# KiCad board Wrap030-ITX.kicad_pcb (continued)
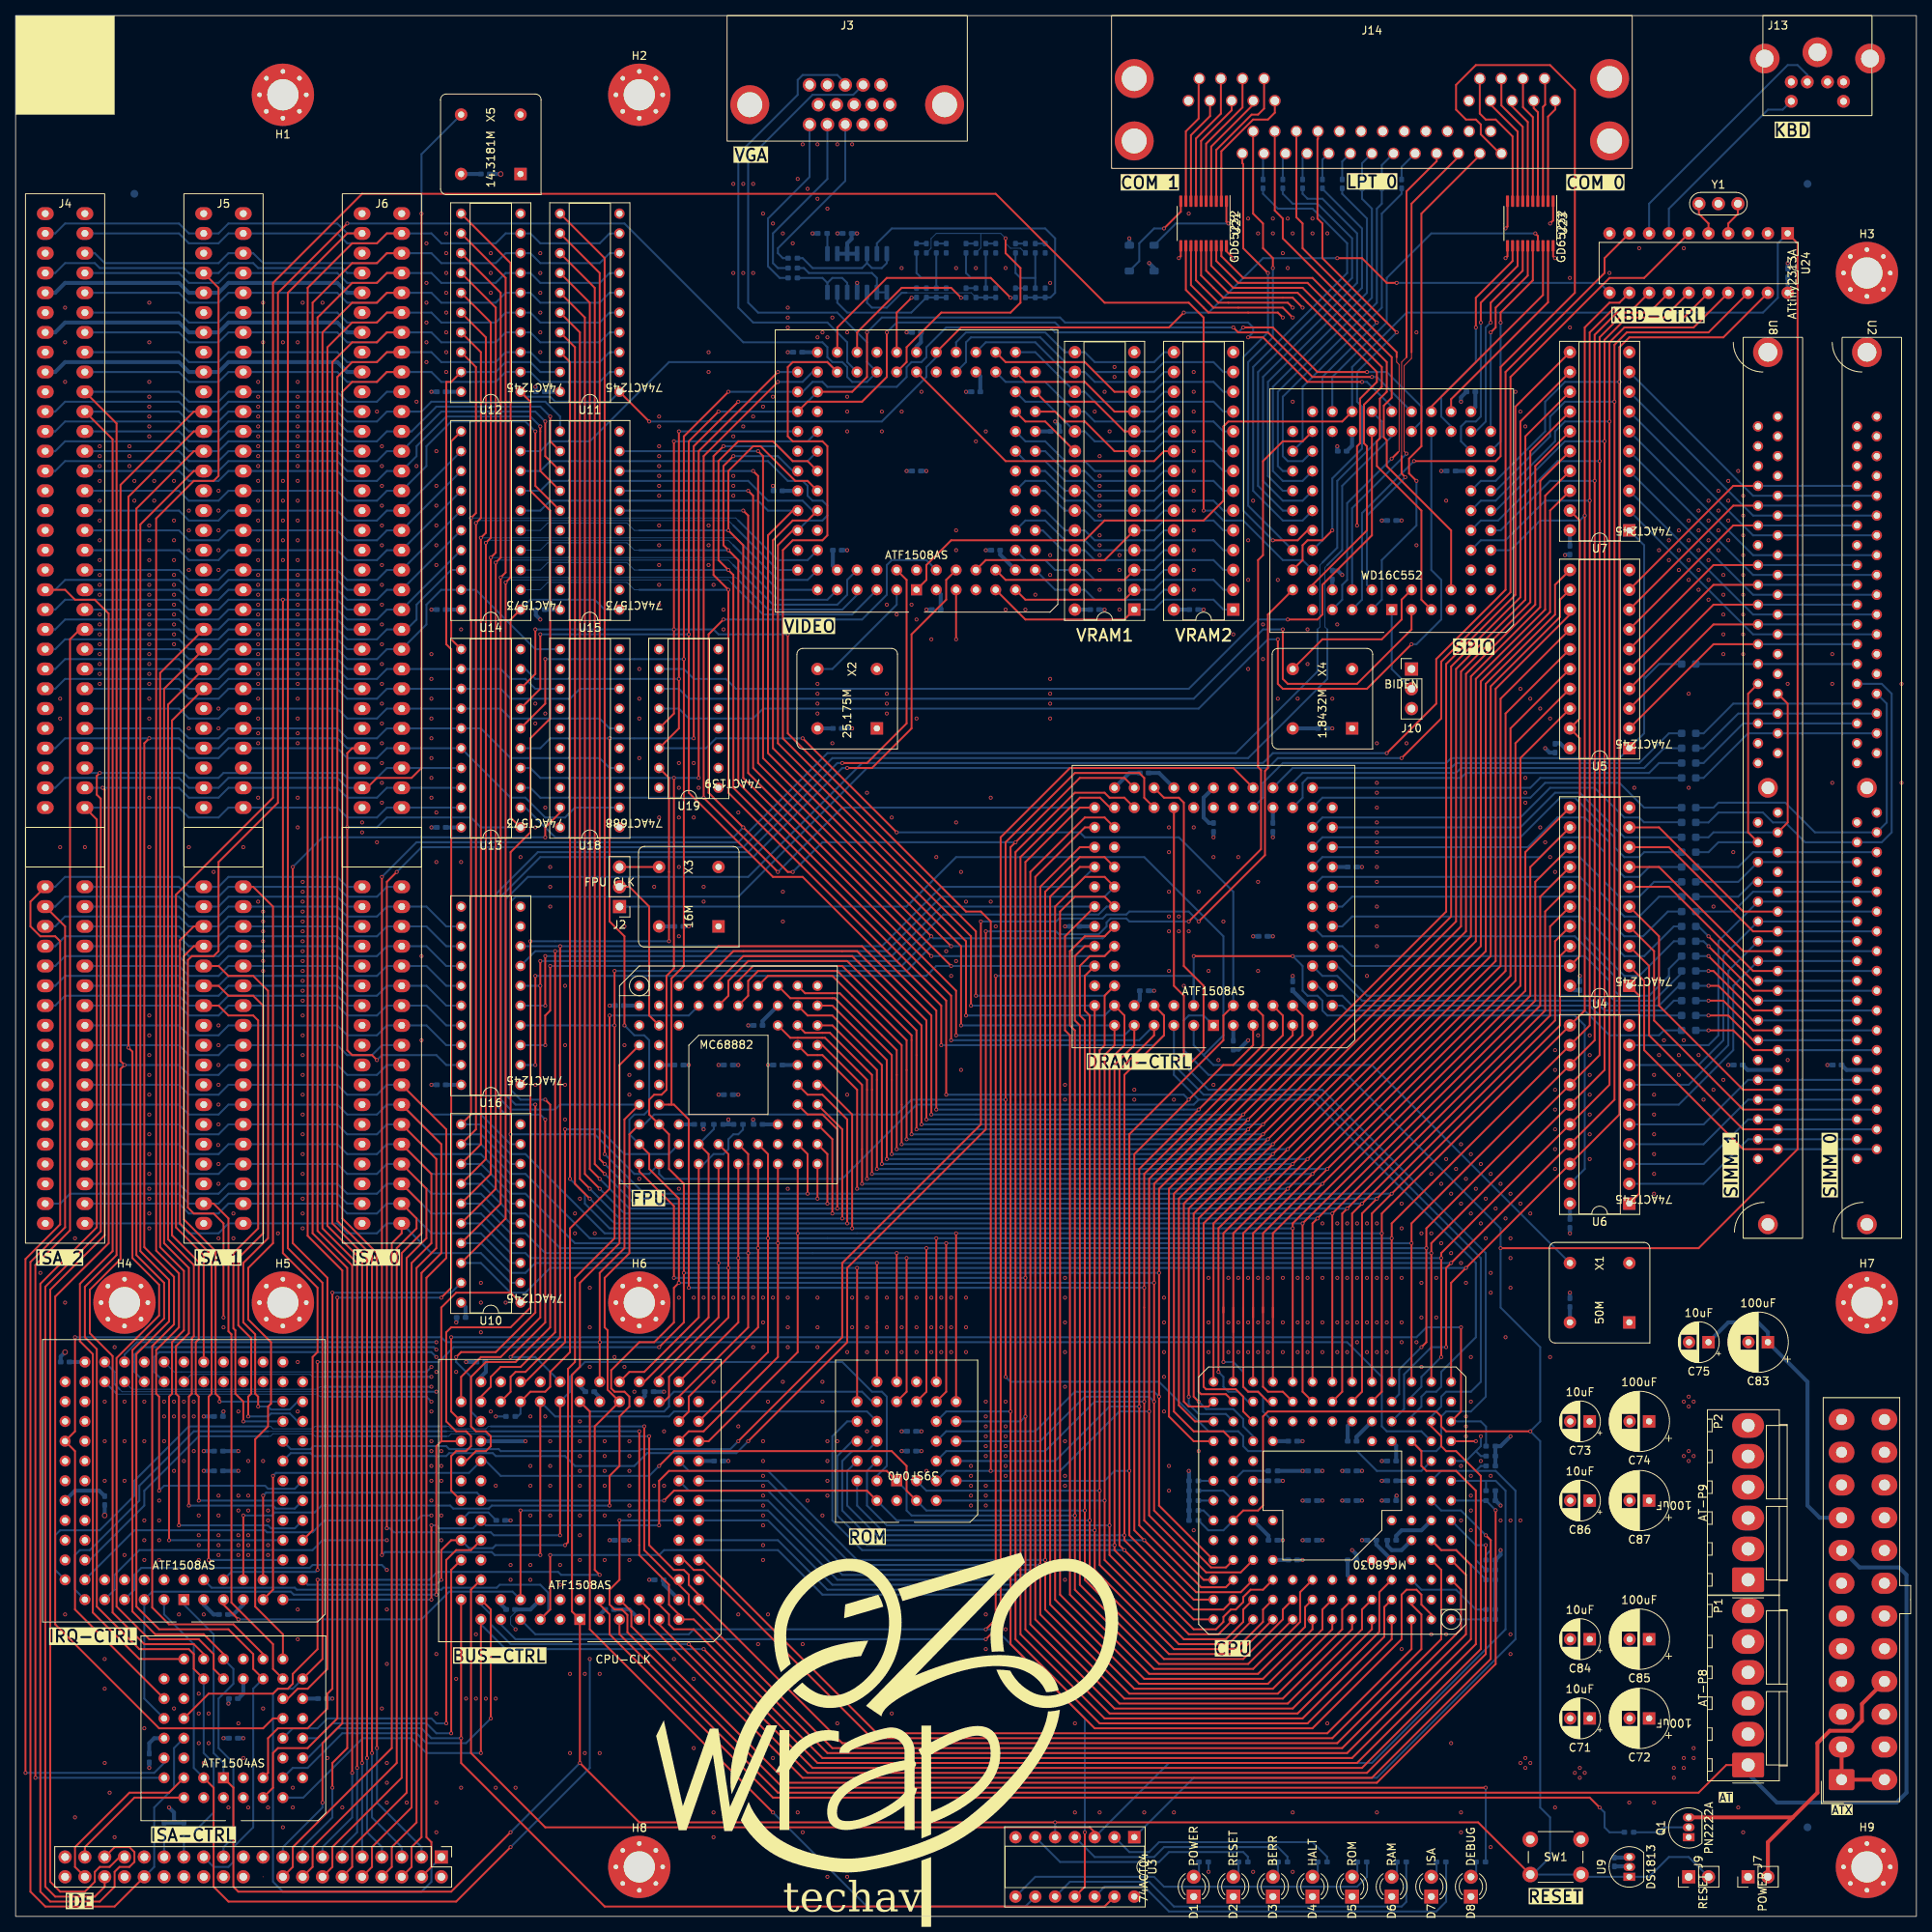
[diagram p0: board, top side]
## Routing (per net, layer and track width the routed paths; a pad name or vN(x,y) marks a point on that pad's centre or on a via; arc(x,y) is an arc through that point) (continued)
/Serial-Parallel-IO/~{COM0-DSR}: length 27.2
  Top w0.254: U23.18 195.94,208 181.61,193.68 U20.31
/Serial-Parallel-IO/~{COM0-DTR}: length 30.6
  Top w0.254: v1(187.96,204.47) 187.96,207.01 192.69,211.74 U23.13
  Bottom w0.254: v1(187.96,204.47) 187.96,192.41 187.32,191.77 186.05,191.77 185.42,191.13 185.42,189.23 U20.25
/Serial-Parallel-IO/~{COM0-RI}: length 28.1
  Top w0.254: v1(187.32,203.84) 187.32,207.65 192.03,212.36 U23.12
  Bottom w0.254: v1(187.32,203.84) 187.32,199.39 182.88,194.94 182.88,192.41 184.15,191.13 U20.30
/Serial-Parallel-IO/~{COM0-RTS}: length 28.6
  Top w0.254: v1(190.5,204.47) 190.5,205.74 194.63,209.88 U23.16
  Bottom w0.254: v1(190.5,204.47) 190.5,189.23 U20.24
/Serial-Parallel-IO/~{COM1-CTS}: length 70.4
  Top w0.254: v1(163.83,206.38) 163.19,207.01 154.3,207.01 151.42,209.89 U21.14
  In1.Cu w0.254: U20.13 186.05,172.72 184.78,173.99 173.99,173.99 170.81,177.17 170.81,189.23 170.43,189.61 170.43,193.8 170.81,194.18 170.81,201.93 165.73,207.01 164.47,207.01 v1(163.83,206.38)
/Serial-Parallel-IO/~{COM1-DCD}: length 62.4
  Top w0.254: U20.8 184.15,177.8 175.89,186.06 175.89,189.36 175.51,189.74 175.51,193.8 176.53,194.82 176.53,200.03 166.37,210.19 157.48,210.19 154.67,212.99 154.67,214.31
/Serial-Parallel-IO/~{COM1-DSR}: length 64.4
  Top w0.254: U21.18 154.03,212.37 156.84,209.55 165.73,209.55 175.89,199.39 175.89,195.58 175.01,194.69 175.01,189.61 174.62,189.23 174.62,186.06 180.34,180.34 180.34,168.91 U20.5
/Serial-Parallel-IO/~{COM1-DTR}: length 71.2
  Top w0.254: U21.13 150.78,209.27 153.67,206.38 162.56,206.38 v1(163.83,205.11)
  In1.Cu w0.254: U20.11 186.05,170.18 183.51,172.72 172.72,172.72 169.54,175.9 169.54,187.32 167.89,188.98 167.89,193.8 168.28,194.18 168.28,200.66 v1(163.83,205.11)
/Serial-Parallel-IO/~{COM1-RI}: length 66.8
  Top w0.254: U21.12 150.12,208.65 153.03,205.74 161.92,205.74 v1(162.56,205.11)
  In1.Cu w0.254: U20.6 179.7,172.09 172.08,172.09 168.28,175.9 168.28,187.32 167.39,188.21 167.39,193.8 167,194.18 167,200.66 v1(162.56,205.11)
/Serial-Parallel-IO/~{COM1-RTS}: length 71.5
  Top w0.254: U21.16 152.72,211.13 155.57,208.28 164.47,208.28 174.62,198.12 174.62,196.85 172.47,194.69 172.47,188.98 172.08,188.6 v1(172.08,178.44)
  In1.Cu w0.254: v1(172.08,178.44) 172.08,177.17 174.62,174.62 185.42,174.62 186.05,173.99 187.96,173.99 U20.12
/Serial-Parallel-IO/~{PAR-ACK}: length 60.3
  Top w0.127: 177.8,187.32 177.8,199.39 178.44,200.03
  Top w0.254: v1(178.28,184.63) 177.8,185.1 177.8,187.32 ; J14.C10 182.3,225.16 178.44,221.3 178.44,200.03
  Bottom w0.254: v1(178.28,184.63) 173.35,179.71 173.35,170.81 U20.68
/Serial-Parallel-IO/~{PAR-AFD}: length 58.5
  Top w0.254: v1(161.29,211.46) 161.29,212.73 160.02,214 160.02,217.17 158.75,218.44 158.75,228.99 J14.C14
  Bottom w0.254: U20.56 158.11,180.98 158.11,199.39 161.29,202.56 v1(161.29,211.46)
/Serial-Parallel-IO/~{PAR-ERR}: length 71.5
  Top w0.127: 177.32,187.8 177.48,187.96 177.48,199.07 177.16,199.39 177.16,200.03
  Top w0.254: 177.16,200.03 177.16,200.66 162.56,215.27 162.56,217.81 161.53,218.84 J14.C15 ; v1(176.53,187.01) 177.32,187.8
  Bottom w0.254: U20.63 170.18,168.91 170.18,170.81 170.81,171.45 170.81,181.29 v1(176.53,187.01)
/Serial-Parallel-IO/~{PAR-INIT}: length 61.4
  Top w0.254: v1(174.62,204.47) 165.1,214 165.1,217.17 164.3,217.97 J14.C16
  Bottom w0.254: v1(174.62,204.47) 167.64,197.49 167.64,176.53 U20.57
/Serial-Parallel-IO/~{PAR-SLIN}: length 67.7
  Top w0.254: v1(177.16,203.2) 167.64,212.73 167.64,217.17 167,217.81 167,227.97 167.07,228.03 J14.C17 ; U20.58 165.1,173.99 165.1,175.9 165.73,176.53 167.64,176.53 v1(168.91,177.8)
  Bottom w0.254: v1(168.91,177.8) 168.91,184.47 172.72,188.28 172.72,193.68 172.08,194.31 172.08,198.12 v1(177.16,203.2)
/Serial-Parallel-IO/~{PAR-STB}: length 59.5
  Top w0.254: v1(160.66,210.82) 157.48,214 157.48,224.79 157.37,224.9 J14.C1 ; U20.55 165.73,177.8 164.47,176.53 v1(161.29,176.53)
  Bottom w0.254: v1(160.66,210.82) 160.66,203.2 157.48,200.03 157.48,180.34 v1(161.29,176.53)
/Serial-Parallel-IO/~{SPIO-CS0}: length 139.4
  Top w0.254: v1(179.07,163.19) 173.35,157.48 162.56,157.48 161.92,158.12 v1(161.92,163.83)
  Bottom w0.254: U20.32 181.61,172.72 182.88,171.45 182.88,166.37 179.7,163.19 v1(179.07,163.19) ; U19.12 85.09,154.94 86.36,153.67 94.62,153.67 95.88,154.94 151.76,154.94 160.66,163.83 v1(161.92,163.83)
/Serial-Parallel-IO/~{SPIO-CS1}: length 112.8
  Top w0.254: U20.3 179.07,165.1 172.08,158.12 163.19,158.12 162.56,158.75 v1(162.56,165.1)
  Bottom w0.254: v1(162.56,165.1) 160.02,165.1 151.13,156.21 86.36,156.21 85.09,157.48 U19.11
/Serial-Parallel-IO/~{SPIO-CS2}: length 116.2
  Top w0.254: v1(163.19,166.37) 167,166.37 167.64,167 167.64,170.81 173.99,177.17 U20.38
  Bottom w0.254: v1(163.19,166.37) 159.38,166.37 150.5,157.48 92.39,157.48 91.12,158.75 87,158.75 85.72,160.02 U19.10
/VidGen/VID-B-A: length 36.6
  Bottom w0.254: R69.1 R70.1 R71.1 132.75,207.68 133.35,208.28 133.35,215.27 132.08,216.53 112.39,216.53 110.49,214.63 VBUF1.6
/VidGen/VID-B-D: length 29.7
  Top w0.254: v1(127.63,207.65) 125.09,210.19 111.76,210.19 105.41,203.84 VGEN1.51
  Bottom w0.254: R68.1 128.23,207.65 v1(127.63,207.65)
/VidGen/VID-B-D1: length 1.3
  Bottom w0.254: R68.2 R69.2
/VidGen/VID-B-F: length 15.2
  Bottom w0.254: VBUF1.7 111.76,212.09 111.12,211.46 109.85,211.46 109.22,212.09 ; 109.22,212.09 VBUF1.5 ; 109.22,212.09 108.58,211.46 102.23,211.46 100.97,212.73 R78.1
/VidGen/VID-B-OUT: length 21.7
  Bottom w0.254: R78.2 98.43,212.73 97.79,213.36 97.79,214 106.43,222.63 J3.3
/VidGen/VID-G-A: length 19.1
  Bottom w0.127: 114.3,208.28 122.59,208.28 R61.1
  Bottom w0.254: R61.1 R62.1 R63.1 ; 114.3,208.28 113.66,208.28 111.76,206.38 109.85,206.38 109.22,207.01 VBUF1.10
/VidGen/VID-G-D: length 19.4
  Top w0.254: v1(121.28,207.65) 120.01,208.92 113.66,208.92 107.95,203.2 VGEN1.49
  Bottom w0.254: R60.1 121.88,207.65 v1(121.28,207.65)
/VidGen/VID-G-D1: length 1.3
  Bottom w0.254: R60.2 R61.2
/VidGen/VID-G-F: length 13.8
  Bottom w0.254: R77.1 101.12,211.46 101.76,210.82 109.85,210.82 110.49,210.19 VBUF1.9 VBUF1.8
/VidGen/VID-G-OUT: length 22.9
  Bottom w0.254: R77.2 97.79,211.46 97.16,212.09 97.16,215.9 104.14,222.88 J3.2
/VidGen/VID-H: length 59.5
  Bottom w0.254: VGEN1.50 106.68,199.39 106.68,201.93 104.14,204.47 94.62,204.47 92.71,206.38 92.71,226.06 100.33,233.68 100.33,235.59 100.97,236.22 105.41,236.22 106.43,235.2 J3.13
/VidGen/VID-I-D: length 48.3
  Top w0.254: v1(127,215.27) 127,213.36 128.91,211.46 128.91,207.01 127.63,205.74 118.75,205.74 114.3,201.3 114.3,199.39 VGEN1.46
  Bottom w0.127: R73.2 129.5,213.4 128.91,214 127.63,214 127,214.63 v1(127,215.27) 126.36,215.9 123.82,215.9 ; 123.82,215.9 118.11,215.9 117.44,215.23 117.44,214 R57.2 ; 123.82,215.9 123.82,214.03 R65.2
/VidGen/VID-I-D1B: length 1.3
  Bottom w0.254: R73.1 R72.1
/VidGen/VID-I-D1G: length 1.3
  Bottom w0.254: R64.1 R65.1
/VidGen/VID-I-D1R: length 1.3
  Bottom w0.254: R56.1 R57.1
/VidGen/VID-I-D2B: length 9.9
  Bottom w0.254: 130.81,210.19 R70.2 ; 130.81,210.19 R74.2 ; 130.81,210.19 128.91,210.19 128.27,210.82 R72.2
/VidGen/VID-I-D2G: length 9.9
  Bottom w0.254: 124.46,210.19 122.55,210.19 121.92,210.82 R64.2 ; 124.46,210.19 R66.2 ; 124.46,210.19 R62.2
/VidGen/VID-I-D2R: length 9.9
  Bottom w0.254: R58.2 118.11,210.19 ; 118.11,210.19 R54.2 ; 118.11,210.19 116.2,210.19 115.57,210.82 R56.2
/VidGen/VID-I-D3B: length 1.3
  Bottom w0.254: R75.1 R74.1
/VidGen/VID-I-D3G: length 1.3
  Bottom w0.254: R66.1 R67.1
/VidGen/VID-I-D3R: length 1.3
  Bottom w0.254: R58.1 R59.1
/VidGen/VID-R-A: length 16.6
  Bottom w0.254: VBUF1.13 105.41,207.01 106.68,205.74 114.9,205.74 R53.1 R54.1 R55.1
/VidGen/VID-R-D: length 8.4
  Top w0.254: VGEN1.45 113.03,205.74 v1(114.94,207.65)
  Bottom w0.254: R52.1 115.53,207.65 v1(114.94,207.65)
/VidGen/VID-R-D1: length 1.3
  Bottom w0.254: R52.2 R53.2
/VidGen/VID-R-F: length 9.6
  Bottom w0.254: VBUF1.12 106.68,209.55 106.04,210.19 104.78,210.19 104.14,209.55 ; 104.14,209.55 VBUF1.14 ; 104.14,209.55 103.5,210.19 R76.1
/VidGen/VID-R-OUT: length 23.6
  Bottom w0.254: J3.1 101.85,223.13 96.52,217.81 96.52,211.69 98.02,210.19 R76.2
/VidGen/VID_A0: length 28.6
  Top w0.254: VRAM1.10 142.24,190.5 138.43,194.31 132.08,194.31 VGEN1.30
  Bottom w0.254: VRAM1.10 146.05,190.5 147.32,191.77 153.67,191.77 154.94,190.5 VRAM2.10
/VidGen/VID_A1: length 28.6
  Top w0.254: VGEN1.28 133.35,193.04 134.62,191.77 137.16,191.77 140.97,187.96 VRAM1.9
  Bottom w0.254: VRAM2.9 154.94,187.96 153.67,189.23 147.32,189.23 146.05,187.96 VRAM1.9
/VidGen/VID_A2: length 31.1
  Bottom w0.254: VRAM2.8 154.94,185.42 153.67,186.69 147.32,186.69 146.05,185.42 VRAM1.8 138.43,185.42 137.16,186.69 134.62,186.69 132.08,189.23 129.54,189.23 VGEN1.27
/VidGen/VID_A3: length 31.1
  Bottom w0.254: VRAM2.7 154.94,182.88 153.67,184.15 147.32,184.15 146.05,182.88 VRAM1.7 138.43,182.88 137.16,184.15 134.62,184.15 132.08,186.69 129.54,186.69 VGEN1.25
/VidGen/VID_A4: length 31.1
  Bottom w0.254: VGEN1.21 129.54,184.15 132.08,184.15 134.62,181.61 137.16,181.61 138.43,180.34 VRAM1.6 146.05,180.34 147.32,181.61 153.67,181.61 154.94,180.34 VRAM2.6
/VidGen/VID_A5: length 36.2
  Top w0.254: VGEN1.8 124.46,173.99 139.7,173.99 VRAM1.5
  Bottom w0.254: VRAM2.5 154.94,177.8 153.67,179.07 147.32,179.07 146.05,177.8 VRAM1.5
/VidGen/VID_A6: length 31.1
  Bottom w0.254: VRAM2.4 154.94,175.26 153.67,176.53 147.32,176.53 146.05,175.26 VRAM1.4 138.43,175.26 137.16,176.53 134.62,176.53 132.08,179.07 129.54,179.07 VGEN1.17
/VidGen/VID_A7: length 32.6
  Top w0.254: VRAM1.3 142.24,171.45 127,171.45 VGEN1.10
  Bottom w0.254: VRAM1.3 146.05,172.72 147.32,173.99 153.67,173.99 154.94,172.72 VRAM2.3
/VidGen/VID_A8: length 19.9
  Bottom w0.254: VRAM2.25 147.32,175.26 146.05,173.99 138.43,173.99 137.16,175.26 VRAM1.25 134.3,175.26 131.76,177.8 VGEN1.16
/VidGen/VID_A9: length 19.9
  Bottom w0.254: VRAM2.24 147.32,177.8 146.05,176.53 138.43,176.53 137.16,177.8 VRAM1.24 134.62,177.8 132.08,180.34 VGEN1.18
/VidGen/VID_A10: length 19.9
  Bottom w0.254: VGEN1.24 132.08,187.96 134.62,185.42 VRAM1.21 137.16,185.42 138.43,184.15 146.05,184.15 147.32,185.42 VRAM2.21
/VidGen/VID_A11: length 19.9
  Bottom w0.254: VGEN1.20 132.08,182.88 134.62,180.34 VRAM1.23 137.16,180.34 138.43,179.07 146.05,179.07 147.32,180.34 VRAM2.23
/VidGen/VID_A12: length 30
  Top w0.254: VRAM1.2 142.24,168.91 129.54,168.91 VGEN1.11
  Bottom w0.254: VRAM2.2 154.94,170.18 153.67,171.45 147.32,171.45 146.05,170.18 VRAM1.2
/VidGen/VID_A13: length 22.4
  Bottom w0.254: VGEN1.15 129.54,173.99 132.08,173.99 133.35,172.72 VRAM1.26 137.16,172.72 138.43,171.45 146.05,171.45 147.32,172.72 VRAM2.26
/VidGen/VID_A14: length 33.6
  Top w0.254: VRAM1.1 142.24,166.37 129.54,166.37 VGEN1.9
  Bottom w0.254: VRAM1.1 146.05,167.64 147.32,168.91 153.67,168.91 154.94,167.64 VRAM2.1
/VidGen/VID_CLK: length 15.5
  Bottom w0.254: VGEN1.83 113.03,168.28 104.78,160.02 X2.5
/VidGen/VID_D0: length 31.1
  Top w0.254: VRAM1.11 140.97,193.04 137.16,196.85 129.54,196.85 VGEN1.34
  Bottom w0.254: VRAM1.11 146.05,193.04 147.32,194.31 153.67,194.31 154.94,193.04 VRAM2.11
/VidGen/VID_D1: length 33.6
  Top w0.254: VRAM1.12 140.97,195.58 137.16,199.39 127,199.39 VGEN1.35
  Bottom w0.254: VRAM2.12 154.94,195.58 153.67,196.85 147.32,196.85 146.05,195.58 VRAM1.12
/VidGen/VID_D2: length 41.8
  Bottom w0.254: VRAM2.13 154.94,198.12 153.67,199.39 147.32,199.39 146.05,198.12 VRAM1.13 138.43,198.12 137.16,199.39 134.62,199.39 131.44,202.56 122.55,202.56 121.92,201.93 121.92,199.39 VGEN1.40
/VidGen/VID_D3: length 31.8
  Bottom w0.254: VGEN1.39 120.65,201.93 121.92,203.2 132.08,203.2 134.62,200.66 VRAM1.15 137.16,200.66 138.43,199.39 146.05,199.39 147.32,200.66 VRAM2.15
/VidGen/VID_D4: length 28.6
  Bottom w0.254: VGEN1.37 124.46,201.93 130.81,201.93 134.62,198.12 VRAM1.16 137.16,198.12 138.43,196.85 146.05,196.85 147.32,198.12 VRAM2.16
/VidGen/VID_D5: length 23.5
  Bottom w0.254: VRAM2.17 147.32,195.58 146.05,194.31 138.43,194.31 137.16,195.58 VRAM1.17 130.81,200.66 VGEN1.33
/VidGen/VID_D6: length 26
  Bottom w0.254: VRAM2.18 147.32,193.04 146.05,191.77 138.43,191.77 137.16,193.04 VRAM1.18 132.08,196.85 127,196.85 VGEN1.36
/VidGen/VID_D7: length 23.5
  Bottom w0.254: VRAM2.19 147.32,190.5 146.05,189.23 138.43,189.23 137.16,190.5 VRAM1.19 132.08,194.31 129.54,194.31 VGEN1.31
/VidGen/~{VID_CS0}: length 9.7
  Top w0.254: VGEN1.29 129.54,191.77 132.08,191.77 VRAM1.20
/VidGen/~{VID_CS1}: length 38.3
  Top w0.254: VGEN1.44 127,186.69 146.05,186.69 147.32,187.96 VRAM2.20
/VidGen/~{VID_RD}: length 19.9
  Bottom w0.254: VGEN1.22 132.08,185.42 134.62,182.88 VRAM1.22 137.16,182.88 138.43,181.61 146.05,181.61 147.32,182.88 VRAM2.22
/VidGen/~{VID_WR}: length 19.9
  Bottom w0.254: VRAM2.27 147.32,170.18 146.05,168.91 138.43,168.91 137.16,170.18 VRAM1.27 133.35,170.18 VGEN1.12
CPU-A0: length 456
  Top w0.254: v1(99.69,133.99) 99.06,133.99 v1(93.34,139.7) 88.9,144.15 88.9,164.47 v1(90.81,166.37) ; CPU1.A2 181.61,38.74 180.34,40 180.34,41.28 179.7,41.91 178.44,41.91 177.8,41.28 177.8,35.56 166.37,24.13 138.43,24.13 127.63,34.93 v1(127.63,64.77) 127.63,137.16 v1(128.27,137.8) 136.53,146.05 142.24,146.05 RAMC1.51 ; GLUE1.81 68.58,39.37 v1(68.58,46.36)
  Bottom w0.254: GLUE1.81 68.33,39.12 68.33,41.53 67.31,42.55 62.1,42.55 61.72,42.16 54.86,42.16 54.61,41.91 36.07,41.91 35.81,42.16 25.15,42.16 U32.4 ; ROM1.12 119.38,64.77 v1(127.63,64.77) ; v1(90.81,166.37) 108.58,166.37 111.76,169.55 111.76,173.36 112.39,173.99 116.84,173.99 VGEN1.4 ; v1(127.63,41.28) 103.5,41.28 97.79,46.99 83.19,46.99 82.55,46.36 v1(68.58,46.36) ; v1(93.34,139.7) 92.07,138.43 69.22,138.43 65.41,142.24 U13.2 ; v1(99.69,133.99) 103.5,137.8 v1(128.27,137.8)
CPU-A1: length 508.2
  Top w0.254: GLUE1.80 v1(64.77,52.07) ; v1(97.79,133.99) v1(88.26,143.51) 88.26,187.32 v1(97.79,196.85) ; v1(84.46,81.92) 84.46,91.12 80.01,95.57 U1.K1 ; v1(28.57,38.1) 26.67,40 U32.5 ; RAMC1.54 136.53,142.24 129.54,135.25 v1(129.54,81.92) v1(129.54,64.14) 129.54,36.83 140.33,26.03 164.47,26.03 174.94,36.51 174.94,41.59 CPU1.C4
  Bottom w0.254: v1(84.46,81.92) v1(129.54,81.92) ; v1(88.26,143.51) 67.31,143.51 66.04,144.78 U13.3 ; v1(129.54,43.18) 105.41,43.18 96.52,52.07 v1(64.77,52.07) ; v1(97.79,196.85) 100.97,196.85 102.23,198.12 VGEN1.55 ; ROM1.11 128.91,63.5 v1(129.54,64.14) ; v1(97.79,133.99) 106.04,142.24 RAMC1.54 ; v1(28.57,38.1) 52.07,38.1 55.63,41.66 63.75,41.66 GLUE1.80
CPU-A2: length 416.2
  Top w0.254: RAMC1.11 166.37,113.03 146.69,93.34 v1(146.69,82.55) v1(146.69,66.68) 146.69,52.71 CPU1.D13 ; v1(82.55,73.03) 85.72,76.2 v1(85.72,82.55) 85.72,93.98 83.82,95.89 83.82,100.33 U1.H2 81.28,102.87 81.28,104.78 81.91,105.41 82.87,105.41 83.5,106.05 83.5,120.65 84.46,121.6 v1(84.46,146.05) ; v1(97.79,198.12) 87.63,187.96 v1(87.63,146.05) ; v1(38.73,44.45) v1(38.73,71.12)
  Bottom w0.254: v1(97.79,198.12) VGEN1.54 ; v1(38.73,44.45) 38.48,44.2 27.69,44.2 U32.6 ; v1(38.73,71.12) 54.29,71.12 56.2,73.03 v1(82.55,73.03) ; v1(85.72,82.55) v1(146.69,82.55) ; v1(87.63,146.05) v1(84.46,146.05) 67.31,146.05 66.04,147.32 U13.4 ; v1(146.69,66.68) 146.05,67.31 135.89,67.31 130.81,62.23 119.38,62.23 ROM1.10
CPU-A3: length 512
  Top w0.254: v1(76.2,151.13) 76.2,127.64 78.1,125.73 v1(78.1,114.3) ; CPU1.D12 155.26,44.77 153.35,44.77 146.05,52.07 v1(146.05,66.04) v1(146.05,81.28) 146.05,93.98 165.1,113.03 165.1,115.57 RAMC1.10 ; v1(172.72,196.85) 165.73,196.85 160.02,202.56 v1(158.11,202.56) ; v1(87,151.13) 87,188.6 v1(92.71,194.31) ; VGEN1.57 107.31,195.58 109.22,197.49 v1(109.22,203.2) ; v1(76.2,52.71) 76.2,56.52 77.47,57.78 77.47,64.14 78.74,65.41 78.74,66.68 78.1,67.31 76.84,67.31 76.41,67.74 76.41,70.06 80.01,73.66 81.91,73.66 84.46,76.2 84.46,80.65 v1(85.09,81.28) 85.09,92.08 81.28,95.89 81.28,97.79 U1.J1 ; v1(29.21,51.44) U32.8
  Bottom w0.254: v1(78.1,114.3) 79.38,113.03 80.65,113.03 81.28,112.4 81.28,103.5 80.65,102.87 79.38,102.87 78.74,102.24 78.74,100.33 U1.J1 ; v1(76.2,52.71) 61.09,52.71 60.71,52.32 56.13,52.32 55.75,52.71 39.24,52.71 38.35,51.82 33.27,51.82 32.89,51.44 v1(29.21,51.44) ; v1(85.09,81.28) v1(146.05,81.28) ; ROM1.9 131.44,60.96 137.16,66.68 145.41,66.68 v1(146.05,66.04) ; U20.35 176.53,193.68 173.35,196.85 v1(172.72,196.85) ; v1(92.71,194.31) 101.6,194.31 VGEN1.57 ; v1(109.22,203.2) 111.12,205.11 133.98,205.11 134.62,204.47 158.11,204.47 158.75,203.84 158.75,203.2 v1(158.11,202.56) ; U13.5 67.31,149.86 68.58,151.13 v1(76.2,151.13) v1(87,151.13)
CPU-A4: length 425.6
  Top w0.254: v1(157.48,203.84) 161.29,203.84 167,198.12 v1(173.35,198.12) ; U13.6 67.94,155.57 v1(67.94,161.29) ; v1(91.44,195.58) 85.72,189.87 v1(85.72,161.29) 85.72,121.92 84.14,120.33 84.14,104.14 ; CPU1.C13 152.4,43.18 144.78,50.8 v1(144.78,66.04) v1(144.78,80.65) 144.78,95.25 162.56,113.03 162.56,115.57 RAMC1.8 ; 84.14,104.14 84.46,104.14 86.36,102.24 v1(86.36,80.65) ; 84.14,104.14 U1.G2
  Bottom w0.254: v1(173.35,198.12) 175.89,198.12 180.34,193.68 180.34,191.77 U20.34 ; v1(85.72,161.29) v1(67.94,161.29) ; v1(157.48,203.84) 156.84,203.2 133.35,203.2 132.72,203.84 119.38,203.84 116.84,201.3 116.84,200.03 116.2,199.39 114.94,199.39 114.3,198.75 114.3,197.49 113.03,196.22 104.14,196.22 103.5,196.85 102.23,196.85 100.97,195.58 VGEN1.56 v1(91.44,195.58) ; ROM1.8 119.38,59.69 132.08,59.69 138.43,66.04 v1(144.78,66.04) ; v1(86.36,80.65) v1(144.78,80.65)
CPU-A5: length 387.4
  Top w0.254: v1(111.76,203.2) 111.76,197.49 108.58,194.31 101.6,194.31 VGEN1.58 ; v1(67.31,164.47) 67.31,157.48 U13.7 ; CPU1.C12 155.26,42.23 152.08,42.23 144.14,50.17 v1(144.14,65.41) 144.14,95.89 160.02,111.76 160.02,115.57 RAMC1.6 ; v1(173.99,197.49) 166.37,197.49 160.66,203.2 156.84,203.2 v1(156.21,203.84) ; v1(118.11,103.5) 118.11,116.21 100.97,133.35 97.16,133.35 86.36,144.15 v1(86.36,164.47) 86.36,189.23 v1(90.17,193.04)
  Bottom w0.254: v1(156.21,203.84) 133.98,203.84 133.35,204.47 113.03,204.47 v1(111.76,203.2) ; v1(67.31,164.47) v1(86.36,164.47) ; v1(118.11,103.5) v1(151.76,103.5) ; v1(90.17,193.04) VGEN1.58 ; ROM1.7 133.35,58.42 140.33,65.41 v1(144.14,65.41) ; U20.33 174.62,197.49 v1(173.99,197.49)
CPU-A6: length 335.3
  Top w0.254: v1(84.46,189.23) v1(84.46,165.1) 84.46,154.31 U19.13 ; CPU1.D11 157.16,44.13 152.72,44.13 145.41,51.44 v1(145.41,64.77) 145.41,94.62 163.83,113.03 RAMC1.9 ; U13.8 66.68,159.38 v1(66.68,165.1) ; v1(125.09,57.15) 125.09,127.64 123.82,128.91 121.92,128.91 99.06,151.76 v1(99.06,164.47)
  Bottom w0.254: v1(66.68,165.1) v1(84.46,165.1) 89.53,165.1 90.17,164.47 v1(99.06,164.47) ; VGEN1.61 101.6,189.23 v1(84.46,189.23) ; v1(145.41,64.77) 141.6,64.77 133.98,57.15 v1(125.09,57.15) 119.38,57.15 ROM1.6
CPU-A7: length 285.2
  Top w0.254: U19.14 85.09,152.4 v1(85.09,158.75) v1(85.09,190.5) ; v1(113.03,139.06) v1(100.97,151.13) ; RAMC1.4 154.94,115.57 154.94,112.4 142.88,100.33 v1(142.88,57.15) 142.88,48.9 151.13,40.64 CPU1.B13
  Bottom w0.254: U19.14 88.58,149.86 89.85,151.13 v1(100.97,151.13) ; RAMC1.4 156.21,131.44 149.22,138.43 137.16,138.43 136.53,139.06 v1(113.03,139.06) ; U13.9 65.41,160.02 66.68,158.75 v1(85.09,158.75) ; v1(85.09,190.5) VGEN1.60 ; ROM1.5 139.7,55.88 140.97,57.15 v1(142.88,57.15)
CPU-A8: length 296.5
  Top w0.254: CPU1.B12 154.94,39.37 151.13,39.37 142.24,48.26 v1(142.24,48.9) 142.24,107.95 147.32,113.03 147.32,115.57 RAMC1.80 ; v1(90.81,188.6) 89.53,187.32 89.53,172.09 v1(91.44,170.18) 91.44,144.15 118.75,116.84 v1(118.75,111.76)
  Bottom w0.127: U14.2 67.31,170.18 68.26,171.13 78.42,171.13 79.38,170.18 80.01,170.18
  Bottom w0.254: v1(142.24,48.9) 110.49,48.9 106.68,52.71 106.68,57.15 ROM1.27 ; VGEN1.63 101.6,186.69 99.69,186.69 97.79,188.6 v1(90.81,188.6) ; RAMC1.80 147.32,115.57 147.32,113.03 146.05,111.76 v1(118.75,111.76) ; 80.01,170.18 v1(91.44,170.18)
CPU-A9: length 310.7
  Top w0.254: RAMC1.5 158.75,111.76 156.21,109.22 154.94,109.22 v1(150.5,104.78) 143.51,97.79 143.51,49.53 v1(144.78,48.26) 151.45,41.59 157.16,41.59 CPU1.C11 ; VGEN1.65 101.6,186.69 99.69,186.69 97.16,189.23 92.71,189.23 90.17,186.69 90.17,173.99 v1(91.44,172.72) 92.07,172.09 92.07,144.78 119.38,117.47 v1(119.38,105.41)
  Bottom w0.127: 80.01,172.72 79.38,172.72 78.42,173.67 68.26,173.67 67.31,172.72 U14.3
  Bottom w0.254: v1(144.78,48.26) 109.85,48.26 106.04,52.07 106.04,58.42 107.31,59.69 109.22,59.69 ROM1.26 ; v1(150.5,104.78) 149.86,105.41 v1(119.38,105.41) ; 80.01,172.72 v1(91.44,172.72)
CPU-A10: length 289.2
  Top w0.254: v1(120.01,112.4) 120.01,118.11 92.71,145.42 92.71,173.99 v1(91.44,175.26) 90.81,175.9 90.81,186.06 v1(92.07,187.32) ; RAMC1.79 146.05,113.03 141.6,108.59 141.6,47.62 v1(142.24,46.99) 151.13,38.1 CPU1.A13
  Bottom w0.127: U14.4 67.31,175.26 68.26,176.21 78.42,176.21 79.38,175.26 80.01,175.26
  Bottom w0.254: 80.01,175.26 v1(91.44,175.26) ; v1(142.24,46.99) 108.58,46.99 104.78,50.8 104.78,61.59 106.68,63.5 ROM1.23 ; v1(120.01,112.4) 144.14,112.4 RAMC1.79 ; VGEN1.64 99.69,185.42 97.79,187.32 v1(92.07,187.32)
CPU-A11: length 294.8
  Top w0.254: RAMC1.77 143.51,111.76 140.97,109.22 v1(140.97,47.62) 140.97,46.99 151.13,36.83 153.99,36.83 154.94,37.78 154.94,38.42 155.89,39.37 156.53,39.37 157.48,40.32 157.48,40.96 158.43,41.91 160.02,41.91 CPU1.C10 ; v1(120.65,113.03) 120.65,118.75 93.34,146.05 93.34,175.9 v1(91.44,177.8) 91.44,185.42 94.62,188.6 95.57,188.6 100.01,184.15 101.6,184.15 VGEN1.67
  Bottom w0.127: 80.01,177.8 79.38,177.8 78.42,178.75 68.26,178.75 67.31,177.8 U14.5
  Bottom w0.254: v1(120.65,113.03) 142.24,113.03 RAMC1.77 ; 80.01,177.8 v1(91.44,177.8) ; ROM1.25 107.31,60.96 105.41,59.06 105.41,51.44 109.22,47.62 v1(140.97,47.62)
CPU-A12: length 251.5
  Top w0.254: v1(121.28,114.3) 121.28,124.46 96.52,149.23 96.52,177.17 99.69,180.34 VGEN1.68 ; RAMC1.75 140.97,111.76 139.7,110.49 v1(139.7,53.34) 139.7,45.72 149.86,35.56 155.26,35.56 157.48,37.78 157.48,39.37 CPU1.B11
  Bottom w0.254: ROM1.4 v1(139.7,53.34) ; U14.6 67.31,180.34 68.58,181.61 95.25,181.61 96.52,180.34 VGEN1.68 ; v1(121.28,114.3) RAMC1.75
CPU-A13: length 269.4
  Top w0.254: RAMC1.76 142.24,115.57 142.24,111.76 140.33,109.86 140.33,46.36 150.5,36.19 154.3,36.19 CPU1.A12 ; v1(121.92,115.57) 121.92,125.09 97.16,149.86 97.16,176.53 99.69,179.07 101.6,179.07 VGEN1.69
  Bottom w0.254: v1(140.33,50.17) 111.76,50.17 109.22,52.71 109.22,57.15 ROM1.28 ; v1(121.92,115.57) 139.7,115.57 RAMC1.76 ; U14.7 67.31,182.88 68.58,184.15 93.98,184.15 96.52,181.61 100.97,181.61 102.23,180.34 VGEN1.69
CPU-A14: length 275.4
  Top w0.254: VGEN1.70 99.69,177.8 97.79,175.9 97.79,150.5 122.55,125.73 v1(122.55,116.84) ; RAMC1.74 v1(138.43,49.53) 138.43,44.45 148.59,34.29 156.53,34.29 160.02,37.78 160.02,39.37 CPU1.B10
  Bottom w0.254: v1(122.55,116.84) RAMC1.74 ; v1(138.43,49.53) 111.12,49.53 107.95,52.71 ROM1.29 ; U14.8 67.31,185.42 68.58,186.69 96.52,186.69 99.06,184.15 100.97,184.15 101.6,183.51 101.6,182.25 102.23,181.61 103.5,181.61 104.14,180.98 104.14,179.71 103.5,179.07 101.6,179.07 VGEN1.70
CPU-A15: length 295.5
  Top w0.254: RAMC1.73 139.7,118.11 139.7,111.76 139.06,111.12 v1(139.06,54.61) 139.06,45.09 149.22,34.93 155.57,34.93 CPU1.A11 ; VGEN1.52 104.14,199.39 99.69,199.39 99.06,198.75 99.06,189.87 99.69,189.23 103.5,189.23 104.14,188.6 104.14,177.17 103.5,176.53 99.69,176.53 98.43,175.26 98.43,151.13 123.19,126.37 v1(123.19,118.11)
  Bottom w0.254: ROM1.3 116.84,54.61 v1(139.06,54.61) ; U14.9 67.31,187.96 68.58,189.23 73.66,189.23 83.82,199.39 104.14,199.39 VGEN1.52 ; v1(123.19,118.11) 139.7,118.11 RAMC1.73
CPU-A16: length 354.8
  Top w0.254: v1(33.02,56.52) 33.02,41.91 U32.9 ; v1(93.34,180.34) 93.98,179.71 93.98,146.69 v1(117.47,123.19) ; v1(82.55,57.78) 84.46,59.69 112.39,59.69 114.3,57.78 114.3,54.61 ROM1.2 ; CPU1.B9 162.56,39.37 162.56,38.1 157.48,33.02 147.32,33.02 137.16,43.18 v1(137.16,52.07) 137.16,114.94 136.53,115.57 136.53,121.92 137.79,123.19 139.7,123.19 RAMC1.69
  Bottom w0.254: RAMC1.69 139.7,123.19 v1(117.47,123.19) ; v1(33.02,56.52) 33.4,56.9 58.17,56.9 GLUE1.61 60.32,58.42 62.23,56.52 81.28,56.52 v1(82.55,57.78) ; v1(137.16,52.07) 116.84,52.07 ROM1.2 ; U15.6 v1(93.34,180.34)
CPU-A17: length 402.1
  Top w0.254: ROM1.30 109.22,54.61 84.46,54.61 v1(83.19,53.34) ; CPU1.A10 156.84,33.66 147.95,33.66 137.79,43.81 137.79,115.57 137.16,116.21 137.16,120.65 RAMC1.70 ; v1(120.01,121.92) 94.62,147.32 94.62,182.25 v1(93.98,182.88) ; v1(31.75,53.97) U32.10 ; v1(66.68,120.65) v1(66.68,109.22)
  Bottom w0.254: v1(137.79,50.8) 113.03,50.8 ROM1.30 ; U15.7 v1(93.98,182.88) ; U16.2 v1(66.68,109.22) ; v1(66.68,120.65) 116.84,120.65 118.11,121.92 v1(120.01,121.92) RAMC1.70 ; v1(31.75,53.97) 32.13,54.36 59.18,54.36 59.69,53.85 GLUE1.65 v1(83.19,53.34)
CPU-A18: length 427.5
  Top w0.254: v1(117.47,125.73) 95.25,147.96 95.25,184.79 v1(94.62,185.42) ; v1(82.55,50.17) 82.55,55.88 83.82,57.15 111.76,57.15 ROM1.1 ; RAMC1.67 139.7,125.73 137.16,125.73 135.25,123.83 135.25,114.3 135.89,113.67 v1(135.89,51.44) 135.89,41.91 146.05,31.75 158.75,31.75 164.78,37.78 164.78,41.59 CPU1.C8 ; v1(53.34,50.17) v1(53.34,40.64) ; v1(67.94,111.76) 67.94,115.57 68.58,116.21 v1(68.58,121.92)
  Bottom w0.254: v1(135.89,51.44) 114.94,51.44 114.3,52.07 114.3,54.61 ROM1.1 ; RAMC1.67 139.45,125.48 117.73,125.48 v1(117.47,125.73) 113.66,121.92 v1(68.58,121.92) ; U32.11 v1(53.34,40.64) ; v1(53.34,50.17) 53.98,50.17 54.36,49.78 58.67,49.78 GLUE1.67 60.32,50.17 v1(82.55,50.17) ; U15.8 v1(94.62,185.42) ; v1(67.94,111.76) U16.3
